# Altium PCB ATmega324PB_Xplained_Pro.PcbDoc (part 2 of 3)
Units mm, origin at the board's own origin, x right, y up, seen from the top; angles counter-clockwise.
Board outline 60 x 60 mm, 4 copper layers (Top Layer LF-signals, GND, POWER, Bottom Layer LF-signals), stack 1.604 mm thick; 125 components, 110 nets, 598 pads, 227 vias.
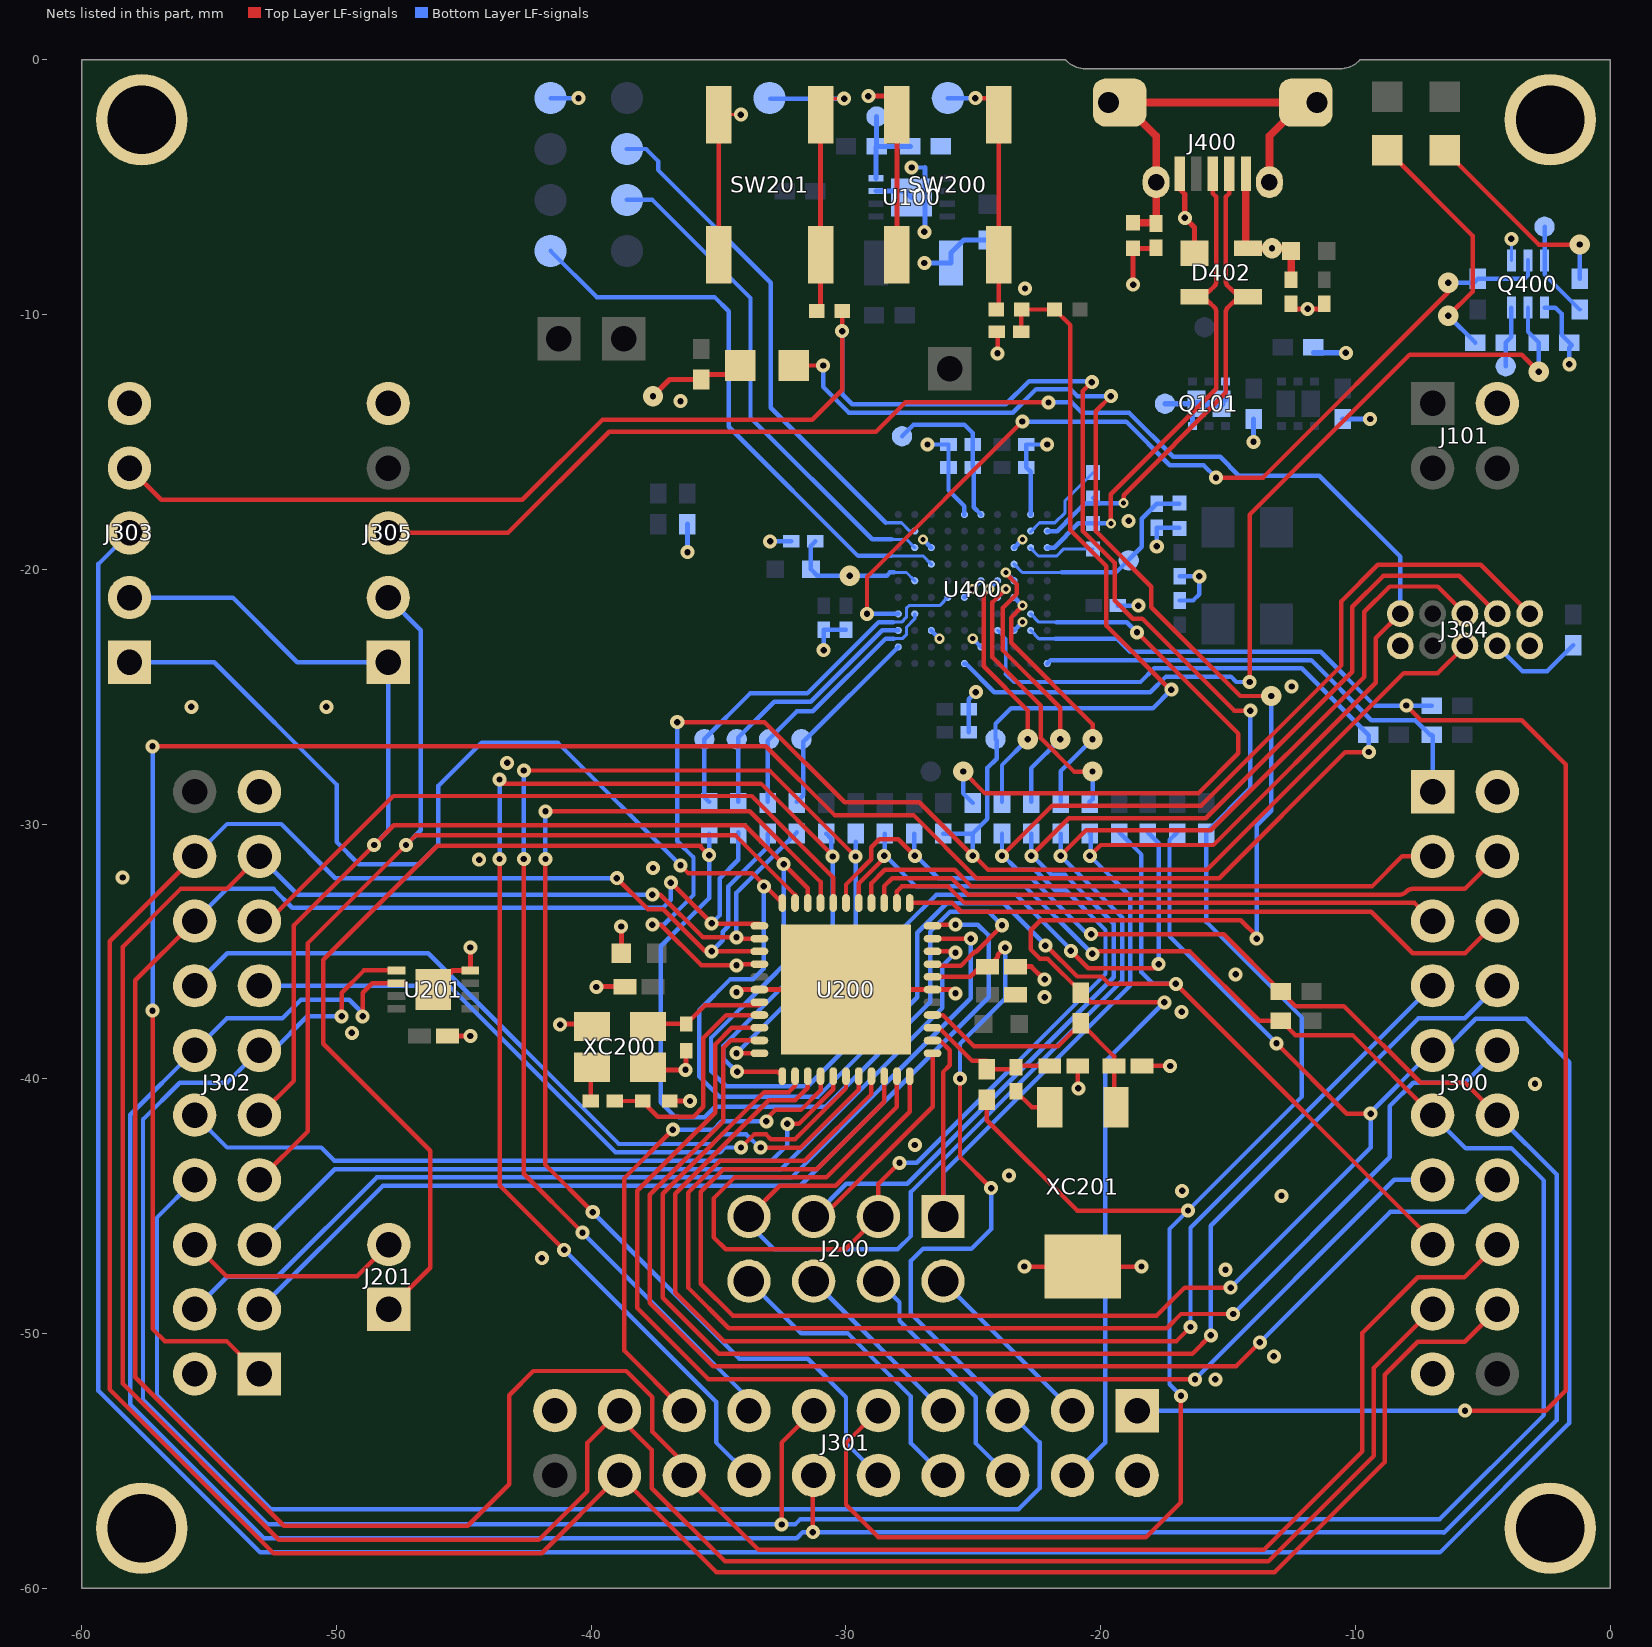
[diagram p4: the nets of this part, all layers, seen from the top]

## Via types
v1: diameter 0.55, hole 0.25, Top Layer LF-signals to Bottom Layer LF-signals, 96 vias
v2: diameter 0.55, hole 0.25, Top Layer LF-signals to Bottom Layer LF-signals, tented bottom, 40 vias
v3: diameter 0.55, hole 0.25, Top Layer LF-signals to Bottom Layer LF-signals, tented top, 29 vias
v4: diameter 0.55/0.8 (per signal layer), hole 0.25, Top Layer LF-signals to Bottom Layer LF-signals, tented top, 24 vias
v5: diameter 0.55, hole 0.25, Top Layer LF-signals to Bottom Layer LF-signals, tented both sides, 13 vias
v6: diameter 0.4, hole 0.2, Top Layer LF-signals to Bottom Layer LF-signals, tented both sides, 12 vias
v7: diameter 0.4, hole 0.2, Top Layer LF-signals to Bottom Layer LF-signals, tented top, 8 vias
v8: diameter 0.4, hole 0.2, Top Layer LF-signals to Bottom Layer LF-signals, 2 vias
v9: diameter 0.55/0.55 (per signal layer), hole 0.25, Top Layer LF-signals to Bottom Layer LF-signals, tented both sides, 1 vias
v10: diameter 0.55/0.55 (per signal layer), hole 0.25, Top Layer LF-signals to Bottom Layer LF-signals, tented top, 1 vias
v11: diameter 0.55/0.55 (per signal layer), hole 0.25, Top Layer LF-signals to Bottom Layer LF-signals, 1 vias

## Nets (pads, with @x,y where several pads share a name; then routed paths per layer and width w, separated by ;. In a path a pad name is that pad's centre, name@x,y a point inside that pad or via, vN(x,y) a via of type N, cw(c..) or ccw(c..) an arc to the next point about the centre after c; other vN are vias at no path point) (continued)
EDBG_JTAG_TDO: TP404.1 U400.J8 | length 19.7
  Bottom Layer LF-signals w0.125: -28.2,-18.825 -27.625,-18.825 U400.J8@-27.3,-19.15
  Bottom Layer LF-signals w0.175: TP404.1@-38.6,-5.5 -37.6,-5.5 -33.75,-9.35 -33.75,-14.05 -28.975,-18.825 -28.59,-18.825 -28.2,-18.825
EDBG_JTAG_TMS: TP405.1 U400.H7 | length 22.7
  Bottom Layer LF-signals w0.125: -28.225,-19.475 -26.975,-19.475 U400.H7@-26.65,-19.8
  Bottom Layer LF-signals w0.175: TP405.1@-41.6,-7.5 -39.787,-9.313 -35.163,-9.313 -34.6,-9.875 -34.6,-14.4 -29.525,-19.475 -28.225,-19.475
EDBG_RESET_N: TP406.1 U400.J9 | length 20.6
  Bottom Layer LF-signals w0.125: -28.435,-18.175 -27.82,-18.175 -27.495,-18.5 U400.J9@-27.3,-18.5
  Bottom Layer LF-signals w0.175: TP406.1@-38.6,-3.5 -37.85,-3.5 -37.379,-3.971 -37.379,-4.321 -32.95,-8.75 -32.95,-13.66 -28.435,-18.175
EDBG_SPI_DGI_MISO: pad.0@-31.75,-26.67 R417.1 U400.K2 | length 7.7
  Bottom Layer LF-signals w0.175: R417.1@-31.925,-29.125 -31.675,-28.875 -31.675,-26.775 U400.K2@-27.95,-23.05
EDBG_SPI_DGI_MOSI: pad.0@-34.29,-26.67 R205.1 U400.K3 | length 10.5
  Bottom Layer LF-signals w0.175: R205.1@-34.225,-29.125 -34.225,-26.605 -32.82,-25.2 -31.385,-25.2 -28.581,-22.397 -27.954,-22.397 U400.K3@-27.95,-22.4
EDBG_SPI_DGI_SCK: pad.0@-33.02,-26.67 R206.1 U400.J4 | length 10.5
  Bottom Layer LF-signals w0.125: -28.119,-22.722 -27.79,-22.722 -27.622,-22.553 -27.622,-22.267 -27.3,-21.945 U400.J4@-27.3,-21.75
  Bottom Layer LF-signals w0.175: R206.1@-33.075,-29.125 -33.075,-26.725 -31.925,-25.575 -31.3,-25.575 -28.447,-22.722 -28.119,-22.722
EDBG_SPI_DGI_SS: pad.0@-35.56,-26.67 R207.1 U400.G5 | length 14.6
  Bottom Layer LF-signals w0.125: -28.15,-22.072 -27.817,-22.072 -27.629,-21.883 -27.629,-21.529 -27.525,-21.425 -26.325,-21.425 U400.G5@-26,-21.1
  Bottom Layer LF-signals w0.175: R207.1@-35.375,-29.125 -35.56,-28.94 pad.0@-35.56,-26.67 -33.765,-24.875 -31.519,-24.875 -28.716,-22.072 -28.15,-22.072
EDBG_USB_FS_N: R418.2 U400.B9 | length 3.7
  Bottom Layer LF-signals w0.125: U400.B9@-22.751,-18.524 -22.402,-18.175 -21.8,-18.175 -21.4,-17.775 -21.4,-17.3 R418.2@-20.3,-16.2
EDBG_USB_FS_P: R419.2 U400.B8 | length 2.7
  Bottom Layer LF-signals w0.125: U400.B8@-22.751,-19.174 -22.448,-19.476 -21.726,-19.476 -21.45,-19.2 R419.2@-20.3,-19.2
EDBG_USB_HS_N: D402.3 J400.2 R418.1 U400.A9 | length 19.4
  Top Layer LF-signals w0.18: v7(-19.1,-17.4) -19.1,-17.087 -15.085,-13.072 -15.085,-9.886 ; -15.085,-9.889 cw(c-14.849,-9.889) -15.016,-9.722 -14.861,-9.567 cw(c-14.216,-10.213) D402.3@-14.216,-9.3 cw(c-14.216,-8.387) -14.861,-9.033 -15.016,-8.878 cw(c-14.849,-8.711) -15.085,-8.711 -15.085,-5.38 -14.95,-5.245 J400.2@-14.95,-4.475
  Bottom Layer LF-signals w0.18: U400.A9@-22.1,-18.5 -21.712,-18.5 -21.032,-17.82 -21.03,-17.82 -20.61,-17.4 R418.1@-20.1,-17.4 ; R418.1@-20.3,-17.2 R418.1@-20.1,-17.4 ; v7(-19.1,-17.4) R418.1@-20.1,-17.4
EDBG_USB_HS_P: D402.2 J400.3 R419.1 U400.A8 | length 19.6
  Top Layer LF-signals w0.18: v7(-19.6,-18.2) -19.6,-17.05 -15.465,-12.915 -15.465,-9.886 ccw(c-15.701,-9.886) -15.534,-9.719 -15.689,-9.564 ccw(c-16.334,-10.21) D402.2@-16.26,-9.3 ; D402.2@-16.334,-9.303 ccw(c-16.334,-8.39) D402.2@-16.26,-9.3 ; D402.2@-16.334,-9.297 cw(c-16.334,-10.21) D402.2@-16.26,-9.3 ; J400.3@-15.6,-4.475 -15.6,-5.245 -15.465,-5.38 -15.465,-8.714 cw(c-15.701,-8.714) -15.534,-8.881 -15.689,-9.036 cw(c-16.334,-8.39) D402.2@-16.26,-9.3
  Bottom Layer LF-signals w0.18: U400.A8@-22.1,-19.15 -21.825,-19.15 -20.875,-18.2 R419.1@-20.3,-18.2 v7(-19.6,-18.2) v7@-19.7,-18.2
GND: C100.2 C101.2 C200.1 C201.2 C202.2 C203.2 C204.2 C205.2 C206.1 C207.2 C208.2 C209.1 C400.2 C401.2 C402.2 C403.1 C404.2 C405.2 C406.2 C407.2 C408.2 C409.2 C410.2 C411.2 C412.2 C413.2 C414.2 C415.2 D402.1 J101.2@-4.43,-13.49 J300.2@-4.43,-28.73 J300.19@-6.97,-51.59 J301.2@-18.57,-55.57 J301.19@-41.43,-53.03 J302.2@-55.57,-51.59 J302.19@-53.03,-28.73 J303.5 J304.2@-3.16,-23.01 J304.10@-8.24,-23.01 J305.5 J400.5 pad.666 Q400.1 Q400.4 R100.1 R101.2 R103.1 R104.1 R107.1 R412.1 R420.1 R421.1 SW200.1 SW200.2 SW201.1 SW201.2 TP400.1 U100.7 U100.9 U200.6 U200.28 U200.45 U201.4 U201.9 U400.B10 U400.C3 U400.C8 U400.E2 U400.E6 U400.F5 U400.F10 U400.H3 U400.H8 XC200.2 XC200.4 XC201.3 | length 84.9
  Top Layer LF-signals w0.125: SW201.2@-35,-2.15 v3(-34.125,-2.15)
  Top Layer LF-signals w0.175: SW201.1@-35,-7.65 SW201.2@-35,-2.15 ; C202.2@-24.075,-10.675 -24.05,-10.7 v1(-24.05,-11.525) ; v1(-23,-47.375) XC201.3@-20.7,-47.375 v2(-18.4,-47.375) ; C207.2@-20.9,-39.5 -20.9,-40.35 v2(-20.875,-40.375) ; C208.2@-18.375,-39.5 v2(-17.275,-39.5)
  Top Layer LF-signals w0.2: U201.9@-46.2,-36.5 -45.45,-35.75 U201.4@-44.75,-35.75 v1(-44.75,-34.85) ; C209.1@-45.65,-38.325 v1(-44.75,-38.325) ; v1@-41.225,-37.825 -41.225,-37.925 -41.15,-37.85 XC200.2@-40.025,-37.85 ; v1(-39.8,-36.4) -39.785,-36.385 C204.2@-38.672,-36.385 ; v1(-38.825,-34.025) -38.82,-34.03 C203.2@-38.82,-35.285 ; XC200.4@-37.725,-39.65 v1(-36.3,-39.65) -36.275,-39.625 C205.2@-36.275,-38.9 ; C206.1@-36.925,-40.875 v1(-36.125,-40.875) ; v1(-34.3,-36.6) -34.2,-36.5 U200.6@-33.4,-36.5 U200.45@-30,-36.5 U200.28@-26.6,-36.5 -25.85,-36.5 v1(-25.7,-36.65) ; v5(-29.125,-1.425) SW200.2@-28.15,-1.425 ; SW200.2@-28.15,-1.525 -28,-1.675 SW200.2@-28,-2.15 SW200.1@-28,-7.65 ; C200.1@-23.35,-35.6 -22.725,-35.6 -22.225,-36.1 v2(-22.2,-36.1) ; v2@-22.275,-36.7 -22.2,-36.775 v2(-22.2,-36.8) ; v1(-18.725,-8.825) R421.1@-18.725,-7.4 C403.1@-17.85,-7.4 ; J400.5@-16.9,-4.475 -16.9,-5.075 -16.7,-5.275 v1(-16.7,-6.2) -16.316,-6.584 D402.1@-16.316,-7.6 ; C407.2@-12.525,-9.775 v5(-11.875,-9.775) C408.2@-11.225,-9.775
  Bottom Layer LF-signals w0.125: R420.1@-16.925,-18.4 R420.1@-16.9,-18.4 ; Q400.1@-3.875,-7.875 v3@-3.875,-7.1
  Bottom Layer LF-signals w0.175: TP400.1@-41.6,-1.5 v3(-40.5,-1.5) ; v5(-32.975,-18.9) C404.2@-32.15,-18.9 ; v5(-30.875,-23.175) C414.2@-30.875,-22.375 C413.2@-30,-22.375 ; v5(-27.425,-4.225) -26.9,-4.225 ; v7(-26.975,-18.825) U400.H8@-26.65,-19.15 ; v5(-26.8,-15.1) C405.2@-25.975,-15.1 C406.2@-25.975,-16 -25.975,-16.9 -25.35,-17.525 U400.F10@-25.35,-17.85 ; U400.H3@-26.65,-22.4 v6(-26.325,-22.725) ; U400.F5@-25.35,-21.1 v7(-25.025,-20.775) U400.E6@-24.7,-20.45 ; C415.2@-25.175,-26.4 C412.2@-25.175,-25.5 -25.175,-25.1 v5(-24.9,-24.825) ; v7(-25.025,-22.725) U400.E2@-24.7,-23.05 ; U400.C3@-23.4,-22.4 v6(-23.075,-22.075) ; U400.C8@-23.4,-19.15 v7(-23.075,-18.825) ; U400.B10@-22.75,-17.85 -22.75,-16.175 C410.2@-22.925,-16 C409.2@-22.925,-15.1 v5(-22.1,-15.1) ; C411.2@-19.325,-21.425 v3(-18.525,-21.425) ; v3(-17.8,-19.1) C402.2@-17.8,-18.375 R420.1@-16.925,-18.375 ; C400.2@-16.9,-21.225 -16.375,-21.225 -16.125,-20.975 v3(-16.125,-20.275) C401.2@-16.9,-20.275 ; Q400.4@-2.575,-9.725 -2.15,-9.725 -1.9,-9.975 -1.9,-10.8 R412.1@-1.6,-11.1 -1.5,-11.2 -1.6,-11.3 v3(-1.6,-11.95)
  Bottom Layer LF-signals w0.2: v1(-36.225,-19.325) R107.1@-36.225,-18.225 ; U100.7@-28.825,-5.15 -27.675,-5.15 U100.9@-27.425,-5.4 ; v5(-26.925,-7.975) C100.2@-25.875,-7.975 -25.875,-7.575 -25.374,-7.074 C101.2@-24.425,-7.074 ; v5@-26.9,-6.725 -26.9,-4.225 ; v3(-14,-15) R104.1@-14,-14.1 ; R100.1@-11.65,-11.5 v1(-10.375,-11.5) ; R103.1@-10.5,-14.1 v1(-9.425,-14.1)
  other v1: -27.3,-42.6 -49.4,-38.2 -41.225,-37.875 -37.575,-31.725 -22.975,-8.975
  other v2: -15.5,-51.8 -13.2,-50.9 -15.1,-47.5 -41.942,-47.042 -12.9,-44.6 -16.8,-44.4 -23.6,-43.8 -2.95,-40.2 -16.825,-37.375 -14.7,-35.9 -58.4,-32.1 -44.4,-31.4 -43.3,-27.6 -55.7,-25.4 -50.4,-25.4 -12.5,-24.6 -18.9,-18.1 -36.5,-13.4
  other v3: -3.875,-7.025
  other v5: -26.925,-6.75
ID1: J300.1@-6.97,-28.73 R407.1 U400.A1 | length 18.6
  Bottom Layer LF-signals w0.175: U400.A1@-22.1,-23.7 -21.963,-23.562 -11.738,-23.562 -9.375,-25.925 -7.65,-25.925 -7.075,-26.5 R407.1@-7,-26.5 -6.97,-26.53 J300.1@-6.97,-28.73
ID3: J301.1@-18.57,-53.03 R406.1 U400.B3 | length 65.9
  Top Layer LF-signals w0.175: v1(-8,-25.35) -7.425,-25.925 -3.475,-25.925 -1.75,-27.65 -1.75,-52.25 -2.53,-53.03 -2.535,-53.025 -2.54,-53.03 v1(-5.7,-53.03)
  Bottom Layer LF-signals w0.125: U400.B3@-22.75,-22.4 -22.425,-22.725 -21.775,-22.725
  Bottom Layer LF-signals w0.175: -21.775,-22.725 -19.35,-22.725 -18.838,-23.237 -11.363,-23.237 -9.25,-25.35 v1(-8,-25.35) R406.1@-7,-25.35 ; J301.1@-18.57,-53.03 v1(-5.7,-53.03)
ID4: J302.1@-53.03,-51.59 R405.1 U400.D3 | length 97.9
  Top Layer LF-signals w0.175: v1(-57.225,-37.325) -57.225,-49.825 -56.75,-50.3 -54.32,-50.3 J302.1@-53.03,-51.59 ; v1(-57.225,-26.95) -33.15,-26.95 -30.45,-29.65 -27.35,-29.65 -24.875,-32.125 -15.35,-32.125 -10.4,-27.175 v3(-9.475,-27.175)
  Bottom Layer LF-signals w0.125: U400.D3@-24.05,-22.4 -23.725,-22.725 -23.725,-24.1
  Bottom Layer LF-signals w0.175: v1(-57.225,-37.325) v1(-57.225,-26.95) ; -23.725,-24.1 -23.4,-24.425 -18.438,-24.425 -17.9,-23.887 -12.113,-23.887 R405.1@-9.5,-26.5 -9.475,-26.525 v3(-9.475,-27.175)
JTAG_TCK: R401.1 U400.D6 | length 10
  Top Layer LF-signals w0.175: v6(-24.375,-20.775) -24.588,-20.987 -24.587,-22.544 -24.588,-23.812 -22.86,-25.54 v4(-22.86,-26.67)
  Bottom Layer LF-signals w0.175: v6(-24.375,-20.775) U400.D6@-24.05,-20.45 ; R401.1@-23.875,-29.125 -23.875,-27.685 v4(-22.86,-26.67)
JTAG_TDI: R404.1 U400.D5 | length 11.1
  Top Layer LF-signals w0.175: v8(-23.725,-20.775) v8(-23.725,-20.775) -24.25,-21.302 -24.25,-23.45 -22.347,-25.352 -22.347,-26.637 -21.045,-27.94 v4(-20.32,-27.94)
  Bottom Layer LF-signals w0.175: U400.D5@-24.05,-21.1 v8(-23.725,-20.775) ; R404.1@-20.425,-29.175 -20.45,-29.15 R404.1@-20.32,-29.02 ; R404.1@-20.32,-28.97 v4(-20.32,-27.94)
JTAG_TDO: R402.1 U400.C6 | length 11.3
  Top Layer LF-signals w0.175: v8(-23.725,-20.125) -23.725,-20.156 -23.288,-20.594 -23.288,-20.956 -23.838,-21.506 -23.838,-23.187 -21.59,-25.435 v4(-21.59,-26.67)
  Bottom Layer LF-signals w0.175: v8(-23.725,-20.125) U400.C6@-23.4,-20.45 ; R402.1@-22.725,-29.125 -22.725,-27.805 v4(-21.59,-26.67)
JTAG_TMS: R403.1 U400.C5 | length 10.2
  Top Layer LF-signals w0.175: v6(-23.075,-21.425) -23.075,-21.456 -23.513,-21.894 -23.513,-22.887 -20.32,-26.08 v4(-20.32,-26.67)
  Bottom Layer LF-signals w0.175: U400.C5@-23.4,-21.1 v6(-23.075,-21.425) ; R403.1@-21.575,-29.125 -21.575,-27.925 v4(-20.32,-26.67)
NetC402_1: C402.1 pad.3@-18.9,-19.65 R420.2 U400.C7 | length 8.4
  Bottom Layer LF-signals w0.125: U400.C7@-23.4,-19.8 -23.075,-20.125 -21.525,-20.125
  Bottom Layer LF-signals w0.175: -21.525,-20.125 -19.4,-20.125 -18.387,-19.112 -18.387,-18.012 C402.1@-17.8,-17.425 R420.2@-16.925,-17.425
NetC404_1: C404.1 L401.2 U400.J6 | length 5.5
  Bottom Layer LF-signals w0.125: -28.115,-20.125 -27.625,-20.125 U400.J6@-27.3,-20.45
  Bottom Layer LF-signals w0.175: C404.1@-31.2,-18.9 -31.375,-19.075 L401.2@-31.375,-20 -31.125,-20.25 v4(-29.85,-20.25) -28.4,-20.25 -28.275,-20.125 -28.115,-20.125
NetC405_1: C405.1 C406.1 pad.3@-27.8,-14.775 U400.E10 | length 6.4
  Bottom Layer LF-signals w0.175: pad.3@-27.8,-14.775 -27.35,-14.325 -25.35,-14.325 -25.025,-14.65 C405.1@-25.025,-15.1 C406.1@-25.025,-16 -24.987,-16.038 -24.987,-17.563 U400.E10@-24.7,-17.85
NetC407_1: C407.1 D402.4 J400.1 L400.1 | length 5.1
  Top Layer LF-signals w0.2: C407.1@-12.625,-8.725 C407.1@-12.625,-8.625
  Top Layer LF-signals w0.3: D402.4@-14.3,-7.4 J400.1@-14.3,-5.15 ; D402.4@-14.225,-7.4 v4(-13.275,-7.4) L400.1@-12.625,-7.4 ; C407.1@-12.525,-8.625 L400.1@-12.525,-7.5
NetD200_2: D200.2 R214.1 | length 3.9
  Top Layer LF-signals w0.2: v4(-37.575,-13.2) -36.925,-12.55 R214.1@-35.675,-12.55 -35.475,-12.35 -34.5,-12.35 D200.2@-34.15,-12
NetD400_1: D400.1 R409.2 | length 9.8
  Top Layer LF-signals w0.175: D400.1@-8.75,-3.55 -5.4,-6.9 -5.4,-9.1 v4(-6.35,-10.05)
  Bottom Layer LF-signals w0.175: v4(-6.35,-10.05) R409.2@-5.3,-11.1
NetD401_1: D401.1 R410.2 | length 8.2
  Top Layer LF-signals w0.175: D401.1@-6.5,-3.55 -2.8,-7.25 v4(-1.2,-7.25)
  Bottom Layer LF-signals w0.175: R410.2@-1.2,-8.6 v4(-1.2,-7.25)
NetJ202_2: J202.2 XC200.3 | length 1.2
  Top Layer LF-signals w0.175: J202.2@-40.025,-40.875 XC200.3@-40.025,-39.65
NetJ203_2: J203.2 XC201.2 | length 1.6
  Top Layer LF-signals w0.175: J203.2@-23.325,-40.5 -22.7,-41.125 XC201.2@-22,-41.125
NetJ304_4: J304.4@-4.43,-23.01 R300.1 | length 3.8
  Bottom Layer LF-signals w0.175: J304.4@-4.43,-23.01 -3.44,-24 -2.475,-24 R300.1@-1.45,-22.975
NetQ101_3: pad.3@-17.475,-13.5 Q101.3 Q101.6 Q101.7 Q101.8 | length 4.1
  Bottom Layer LF-signals w0.2: pad.3@-17.475,-13.5 -17.3,-13.5 Q101.8@-16.24,-13.5 -16.4,-13.66 Q101.3@-16.4,-14.375 ; Q101.7@-15.26,-13.5 -15.1,-13.34 Q101.6@-15.1,-12.625
  Bottom Layer LF-signals w0.3: Q101.8@-16.24,-13.5 Q101.7@-15.26,-13.5
NetQ400_3: pad.3@-2.575,-6.55 Q400.3 R410.1 | length 3.8
  Bottom Layer LF-signals w0.175: pad.3@-2.575,-6.55 Q400.3@-2.575,-7.875 -2.575,-8.425 R410.1@-1.2,-9.8
NetQ400_6: pad.3@-4.1,-12.025 Q400.6 R409.1 | length 2.4
  Bottom Layer LF-signals w0.175: pad.3@-4.1,-12.025 R409.1@-4.1,-11.1 -3.875,-10.875 Q400.6@-3.875,-9.725
NetR101_1: pad.3@-28.8,-2.225 R101.1 R102.2 U100.8 | length 3.9
  Bottom Layer LF-signals w0.2: U100.8@-28.825,-4.65 -28.825,-3.425 R102.2@-28.8,-3.4 ; pad.3@-28.8,-2.35 pad.3@-28.8,-2.225 R102.2@-28.8,-3.4 ; R101.1@-27.475,-3.4 R102.2@-28.8,-3.4
NetR210_1: R210.1 SW200.3 SW200.4 TP200.1 | length 10.2
  Top Layer LF-signals w0.175: v3(-24.925,-1.5) -24.3,-1.5 -24,-1.8 SW200.4@-24,-2.15 SW200.3@-24,-7.65 -24,-9.7 R210.1@-24.1,-9.8
  Bottom Layer LF-signals w0.175: TP200.1@-26,-1.5 v3(-24.925,-1.5)
NetR213_1: R213.1 SW201.3 SW201.4 TP201.1 | length 12.3
  Top Layer LF-signals w0.125: SW201.4@-30.8,-1.525 v3(-30.075,-1.525)
  Top Layer LF-signals w0.2: R213.1@-31.15,-9.85 -31,-9.7 SW201.3@-31,-7.65 SW201.4@-31,-2.15 -30.9,-2.05 -30.9,-1.425 SW201.4@-30.8,-1.525
  Bottom Layer LF-signals w0.175: TP201.1@-32.975,-1.525 v3(-30.075,-1.525)
PA0_ADC0: J300.3@-6.97,-31.27 U200.37 | length 23.8
  Top Layer LF-signals w0.175: U200.37@-29,-33.1 -29,-32.325 -28.475,-31.8 -25.725,-31.8 -25.075,-32.45 -9.35,-32.45 -8.17,-31.27 J300.3@-6.97,-31.27
PA1_ADC1: J300.4@-4.43,-31.27 U200.36 | length 25.7
  Top Layer LF-signals w0.175: U200.36@-28.5,-33.1 -28.5,-32.438 -28.187,-32.125 -25.86,-32.125 -25.21,-32.775 -8.302,-32.775 ccw(c-8.302,-32.348) -8,-32.65 cw(c-7.759,-32.891) -7.759,-32.55 -5.71,-32.55 J300.4@-4.43,-31.27
PA2_GPIO: J300.5@-6.97,-33.81 U200.35 | length 22.3
  Top Layer LF-signals w0.175: U200.35@-28,-33.1 -28,-32.638 -27.812,-32.45 -25.994,-32.45 -25.344,-33.1 -7.68,-33.1 J300.5@-6.97,-33.81
  Bottom Layer LF-signals w0.175: J300.5@-6.97,-33.81 J300.5@-6.835,-33.81
PA3_GPIO: J300.6@-4.43,-33.81 U200.34 | length 24.4
  Top Layer LF-signals w0.175: U200.34@-27.5,-33.1 -25.825,-33.1 -25.475,-33.45 -9.375,-33.45 -7.75,-35.075 -5.695,-35.075 J300.6@-4.43,-33.81
PA4_ADC4: J302.3@-53.03,-49.05 U200.33 | length 38.5
  Top Layer LF-signals w0.175: U200.33@-26.6,-34 -26.55,-33.95 v1(-25.7,-33.95)
  Bottom Layer LF-signals w0.175: J302.3@-53.03,-49.05 -48.18,-44.2 -31.8,-44.2 -24.4,-36.8 -24.4,-34.375 -24.825,-33.95 v1(-25.7,-33.95)
PA5_ADC5: J302.4@-55.57,-49.05 U200.32 | length 39.4
  Top Layer LF-signals w0.175: U200.32@-26.6,-34.5 -26.6,-34.513 -26.587,-34.5 v1(-25.1,-34.5)
  Bottom Layer LF-signals w0.175: J302.4@-55.57,-49.05 -54.295,-47.775 -52.325,-47.775 -48.425,-43.875 -32.137,-43.875 -25.1,-36.838 v1(-25.1,-34.5)
PA6_GPIO: J302.5@-53.03,-46.51 U200.31 | length 34
  Top Layer LF-signals w0.175: U200.31@-26.6,-35 -25.75,-35 v1(-25.7,-35.05)
  Bottom Layer LF-signals w0.175: J302.5@-53.03,-46.51 -50.07,-43.55 -32.55,-43.55 -26.213,-37.212 -26.213,-35.563 v1(-25.7,-35.05)
PA7_EDBG_SS: J201.1@-47.95,-49.05 R207.2 U200.30 | length 67
  Top Layer LF-signals w0.175: J201.1@-47.95,-49.05 -46.325,-47.425 -46.325,-42.825 -50.525,-38.625 -50.525,-35.325 -46.05,-30.85 -35.7,-30.85 ; -35.7,-30.9 v1(-35.375,-31.225) ; U200.30@-26.6,-35.5 -26.6,-35.563 -25.488,-35.563 -25.187,-35.262 -25.187,-35.252 -24.948,-35.013 -24.888,-35.013 -23.875,-34 v1(-23.875,-33.975)
  Bottom Layer LF-signals w0.175: v1(-35.375,-31.225) R207.2@-35.375,-30.375 ; v1@-35.375,-31.175 -35.375,-32.91 -37.268,-34.803 -37.268,-40.932 -36.712,-41.487 -36.588,-41.487 -36.563,-41.513 -35.552,-41.513 -35.14,-41.1 -30.8,-41.1 -26.7,-37 -26.7,-34.225 -25.912,-33.437 -24.412,-33.437 v1(-23.875,-33.975)
PA7_GPIO: J201.2@-47.95,-46.51 J302.6@-55.57,-46.51 | length 8.7
  Top Layer LF-signals w0.175: J302.6@-55.57,-46.51 -54.325,-47.755 -49.195,-47.755 J201.2@-47.95,-46.51
PB0_GPIO: J302.15@-53.03,-33.81 U200.40 | length 26.9
  Top Layer LF-signals w0.175: J302.15@-53.03,-33.81 -52.685,-33.81 -47.775,-28.9 -33.7,-28.9 -30.5,-32.1 U200.40@-30.5,-33.1
PB1_GPIO: J301.10@-28.73,-55.57 U200.41 | length 45.8
  Top Layer LF-signals w0.175: v1(-41.8,-31.375) -41.8,-43.385 v1(-39.942,-45.242) ; v1(-41.8,-29.5) -33.775,-29.5 -31,-32.275 U200.41@-31,-33.1
  Bottom Layer LF-signals w0.175: v1(-41.8,-31.375) v1(-41.8,-29.5) ; v1(-39.942,-45.242) -34.185,-51 -31.5,-51 -30,-52.5 -30,-54.3 J301.10@-28.73,-55.57
PB2_GPIO: J302.9@-53.03,-41.43 J303.2 J305.1 R414.1 U200.42 | length 88.4
  Top Layer LF-signals w0.175: J302.9@-53.03,-41.43 -51.675,-40.075 -51.675,-33.975 v1(-48.525,-30.825) -47.75,-30.05 -33.975,-30.05 -31.5,-32.525 U200.42@-31.5,-33.1 ; v2(-21.176,-34.977) -20.49,-35.662 -17.887,-35.662 v2(-17.725,-35.5)
  Bottom Layer LF-signals w0.175: J303.2@-58.13,-21.11 -54.08,-21.11 -51.54,-23.65 J305.1@-47.97,-23.65 -47.97,-30.27 v1(-48.525,-30.825) ; v1(-32.45,-31.575) -32.45,-35.55 -32.95,-36.05 -35.3,-38.4 -35.3,-39.7 -34.7,-40.3 -31.5,-40.3 -27.7,-36.5 -27.7,-34.025 -26.45,-32.775 -23.325,-32.775 -21.176,-34.924 v2(-21.176,-34.977) ; R414.1@-18.15,-30.325 -17.725,-30.75 v2(-17.725,-35.5)
PB3_PWM: J302.7@-53.03,-43.97 J305.2 U200.43 | length 42.7
  Top Layer LF-signals w0.175: J302.7@-53.03,-43.97 -51.125,-42.065 -51.125,-34.675 v1(-47.275,-30.825) -46.9,-30.45 -34.335,-30.45 -32,-32.785 U200.43@-32,-33.1
  Bottom Layer LF-signals w0.175: J305.2@-47.97,-21.11 -46.69,-22.39 -46.69,-30.24 v1(-47.275,-30.825)
PB4_SPI0_SS: J300.15@-6.97,-46.51 J303.1 R413.1 U200.44 | length 91.9
  Top Layer LF-signals w0.175: v1(-36.5,-31.625) -36.2,-31.925 -33.675,-31.925 U200.44@-32.5,-33.1 ; v2(-22.175,-34.775) -22.138,-34.775 -20.926,-35.987 -19.963,-35.987 -19.675,-36.275 v2@-17.205,-36.275 ; v2(-17.05,-36.275) -6.97,-46.355 J300.15@-6.97,-46.51
  Bottom Layer LF-signals w0.175: J303.1@-58.13,-23.65 -54.8,-23.65 -50,-28.45 -50,-30.7 -49.125,-31.575 -46.775,-31.575 -46,-30.8 -46,-28.5 -44.3,-26.8 -41.325,-26.8 v1(-36.5,-31.625) ; v1(-33.225,-32.45) -33.225,-35.675 -33.637,-36.087 -34.538,-36.087 -35.762,-37.312 -35.762,-39.913 -34.975,-40.7 -31.1,-40.7 -27.2,-36.8 -27.2,-34.266 -26.047,-33.112 -23.801,-33.112 -22.175,-34.738 v2(-22.175,-34.775) ; R413.1@-19.275,-30.325 -18.4,-31.2 -18.4,-35.825 -17.95,-36.275 v2(-17.05,-36.275)
PB5_SPI0_MOSI: J300.16@-4.43,-46.51 J301.16@-36.35,-55.57 J302.16@-55.57,-33.81 R205.2 U200.1 | length 119.6
  Top Layer LF-signals w0.175: J302.16@-55.57,-33.81 -57.9,-36.14 -57.9,-51.725 -52.075,-57.55 -44.85,-57.55 -43.225,-55.925 -43.225,-52.425 -42.275,-51.475 -38.625,-51.475 -37.6,-52.5 -37.6,-53.86 -36.35,-55.11 J301.16@-36.35,-55.57 -33.42,-58.5 -13.6,-58.5 -9.725,-54.625 -9.725,-49.975 -7.55,-47.8 -5.72,-47.8 J300.16@-4.43,-46.51 ; v1@-36.875,-32.4 -36.825,-32.35 v1(-35.275,-33.9) -35.262,-33.913 -33.4,-33.913 U200.1@-33.4,-34
  Bottom Layer LF-signals w0.175: J302.16@-55.57,-33.81 -54.31,-32.55 -52.475,-32.55 -51.738,-33.287 -37.187,-33.287 -36.875,-32.975 v1(-36.875,-32.3) ; v1(-35.275,-33.9) -34.95,-33.575 -34.95,-32.125 -34.225,-31.4 R205.2@-34.225,-30.325
PB6_SPI0_MISO: J300.17@-6.97,-49.05 J301.17@-38.89,-53.03 J302.17@-53.03,-31.27 R417.2 U200.2 | length 117.4
  Top Layer LF-signals w0.175: J302.17@-53.03,-31.27 -54.31,-32.55 -56.125,-32.55 -58.4,-34.825 -58.4,-51.965 -52.265,-58.1 -42.056,-58.1 -40.15,-56.194 -40.15,-54.29 J301.17@-38.89,-53.03 -38.89,-53.31 -37.625,-54.575 -37.625,-56.075 -34.75,-58.95 -13.415,-58.95 -9.275,-54.81 -9.275,-51.355 J300.17@-6.97,-49.05 J300.17@-6.97,-48.73 ; v1(-37.6,-32.775) -37.29,-32.775 -35.615,-34.45 v1(-34.3,-34.45) -34.25,-34.5 U200.2@-33.4,-34.5
  Bottom Layer LF-signals w0.175: J302.17@-53.03,-31.27 -51.525,-32.775 v1(-37.6,-32.775) ; v1@-37.765,-32.875 v1@-37.6,-32.875 ; v1(-34.3,-34.45) -34.3,-32.7 R417.2@-31.925,-30.325
PB7_SPI0_SCK: J300.18@-4.43,-49.05 J301.18@-38.89,-55.57 J302.18@-55.57,-31.27 R206.2 U200.3 | length 118.9
  Top Layer LF-signals w0.125: U200.3@-33.413,-35.013 U200.3@-33.4,-35
  Top Layer LF-signals w0.175: J302.18@-55.57,-31.27 -58.9,-34.6 -58.9,-52.2 -52.475,-58.625 -41.945,-58.625 J301.18@-38.89,-55.57 -35.085,-59.375 -13.175,-59.375 -8.85,-55.05 -8.85,-51.625 -7.55,-50.325 -5.705,-50.325 J300.18@-4.43,-49.05 ; v1(-39,-32.125) -37.775,-33.35 -37.175,-33.35 -35.525,-35 v1(-35.275,-35) U200.3@-33.4,-35
  Bottom Layer LF-signals w0.175: J302.18@-55.57,-31.27 -54.3,-30 -52.175,-30 -50.05,-32.125 v1(-39,-32.125) ; v1(-35.275,-35) -34.837,-34.563 -34.837,-34.227 -34.625,-34.015 -34.625,-32.45 -33.075,-30.9 R206.2@-33.075,-30.375
PC0_GPIO: J300.10@-4.43,-38.89 U200.19 | length 51.4
  Top Layer LF-signals w0.175: U200.19@-29,-39.9 -29,-40.6 -31.625,-43.225 -34.944,-43.225 -36.2,-44.481 -36.2,-48.2 -34.6,-49.8 -17.41,-49.8 -16.847,-49.237 v2(-14.8,-49.237)
  Bottom Layer LF-signals w0.175: v2(-14.8,-49.237) -8.65,-43.087 -8.65,-41.075 -7.735,-40.16 -5.7,-40.16 J300.10@-4.43,-38.89
PC1_GPIO: J300.9@-6.97,-38.89 J303.3 R415.1 U200.20 | length 180.1
  Top Layer LF-signals w0.175: U200.20@-28.5,-39.9 -28.5,-40.9 -31.15,-43.55 -34.81,-43.55 -35.7,-44.44 -35.7,-48.052 -34.452,-49.3 -17.8,-49.3 -16.7,-48.2 v2(-14.9,-48.2) ; v2(-13.1,-38.613) -10.338,-41.375 v1(-9.4,-41.375)
  Bottom Layer LF-signals w0.175: J303.3@-58.13,-18.57 -59.35,-19.79 -59.35,-52.25 -53,-58.6 -6.681,-58.6 -1.6,-53.519 -1.6,-39.35 -3.3,-37.65 -5.27,-37.65 -6.51,-38.89 J300.9@-6.97,-38.89 -9.4,-41.32 -9.4,-42.7 v2(-14.9,-48.2) ; R415.1@-17,-30.325 -17.3,-30.625 -17.3,-34.413 v2(-13.1,-38.613)
PC2_GPIO: J200.4 J301.6@-23.65,-55.57 | length 9.7
  Bottom Layer LF-signals w0.175: J200.4@-28.73,-47.95 -27.9,-48.78 -27.9,-49.5 -24.9,-52.5 -24.9,-54.32 J301.6@-23.65,-55.57
PC2_JTAG_TCK: J200.3 J304.1@-3.16,-21.74 R401.2 U200.21 | length 67.8
  Top Layer LF-signals w0.175: U200.21@-28,-39.9 -28,-41.1 -30.775,-43.875 -34.375,-43.875 -35.2,-44.7 -35.2,-46.225 -34.725,-46.7 -30.02,-46.7 J200.3@-28.73,-45.41 -28.73,-44.13 v1(-27.9,-43.3) ; v1(-23.875,-31.25) -21.9,-29.275 -16.05,-29.275 -10.55,-23.775 -10.55,-21.25 -9.125,-19.825 -5.075,-19.825 J304.1@-3.16,-21.74
  Bottom Layer LF-signals w0.175: v1(-27.9,-43.3) -27.225,-43.3 -19.813,-35.887 -19.813,-34.163 -21.375,-32.6 -21.785,-32.6 -22.585,-31.8 -23.275,-31.8 v1@-23.875,-31.2 ; v1(-23.875,-31.25) R401.2@-23.875,-30.375
PC3_JTAG_TMS: J200.7 J304.5@-5.7,-21.74 R403.2 U200.22 | length 59.1
  Top Layer LF-signals w0.175: J200.7@-33.81,-45.41 -32.6,-44.2 -30.4,-44.2 -27.5,-41.3 U200.22@-27.5,-39.9 ; v1(-21.575,-31.25) -20.575,-30.25 -15.675,-30.25 -9.65,-24.225 -9.65,-21.669 -8.656,-20.675 -6.765,-20.675 J304.5@-5.7,-21.74
  Bottom Layer LF-signals w0.175: J200.7@-33.81,-45.41 -33.81,-45.715 -32.825,-46.7 -27.975,-46.7 -27.45,-46.175 -27.45,-44.444 -19.162,-36.157 -19.162,-33.662 v1(-21.575,-31.25) R403.2@-21.575,-30.375
PC3_TC4_ICP: J200.8 J301.8@-26.19,-55.57 | length 11.9
  Bottom Layer LF-signals w0.175: J200.8@-33.81,-47.95 -31.76,-50 -29.925,-50 -27.45,-52.475 -27.45,-54.31 J301.8@-26.19,-55.57
PC4_JTAG_TDO: J200.5 J304.3@-4.43,-21.74 R402.2 U200.23 | length 56.5
  Top Layer LF-signals w0.175: J200.5@-31.27,-45.41 -30.91,-45.41 -26.6,-41.1 U200.23@-26.6,-39 ; v1(-22.725,-31.25) -21.25,-29.775 -15.875,-29.775 -10.125,-24.025 -10.125,-21.475 -8.9,-20.25 -5.92,-20.25 J304.3@-4.43,-21.74
  Bottom Layer LF-signals w0.175: J200.5@-31.27,-45.41 -29.985,-44.125 -27.59,-44.125 -19.487,-36.022 -19.487,-33.913 -21.4,-32 -21.925,-32 v1@-22.725,-31.2 ; v1(-22.725,-31.25) R402.2@-22.725,-30.375
PC4_TC4_OCA: J200.6 J301.7@-26.19,-53.03 | length 7.2
  Bottom Layer LF-signals w0.175: J200.6@-31.27,-47.95 J301.7@-26.19,-53.03
PC5_GPIO: J200.2 J301.3@-21.11,-53.03 | length 7.2
  Bottom Layer LF-signals w0.175: J200.2@-26.19,-47.95 J301.3@-21.11,-53.03
PC5_JTAG_TDI: J200.1 J304.9@-8.24,-21.74 J305.3 R404.2 U200.24 | length 90
  Top Layer LF-signals w0.175: J305.3@-47.97,-18.57 -43.27,-18.57 -39.3,-14.6 -28.825,-14.6 -27.675,-13.45 v1(-22.05,-13.45) ; U200.24@-26.6,-38.5 -26.31,-38.5 -25.925,-38.885 -25.925,-39.475 -26.19,-39.74 J200.1@-26.19,-45.41 ; v1(-20.425,-31.25) -20,-30.825 -15.575,-30.825 -9.2,-24.45 -9.2,-22.7 J304.9@-8.24,-21.74
  Bottom Layer LF-signals w0.175: J200.1@-26.19,-45.41 -26.19,-43.69 -18.837,-36.337 -18.837,-32.837 -20.4,-31.275 R404.2@-20.4,-30.35 ; v1(-22.05,-13.45) -21.135,-13.45 -20.721,-13.863 -18.877,-13.863 -17.153,-15.587 -15.313,-15.587 -14.575,-16.325 -11.415,-16.325 -8.24,-19.5 J304.9@-8.24,-21.74 ; R404.2@-20.425,-30.375 R404.2@-20.4,-30.4
PC6_GPIO: J301.9@-28.73,-53.03 J303.4 R211.2 R213.2 R416.1 | length 126.9
  Top Layer LF-signals w0.175: J303.4@-58.13,-16.03 -56.885,-17.275 -42.71,-17.275 -39.56,-14.125 -31.325,-14.125 -30.15,-12.95 v1(-30.15,-10.65) R213.2@-30.15,-9.85 ; J301.9@-28.73,-53.03 -30,-54.3 -30,-56.725 -28.725,-58 -18.225,-58 -16.85,-56.625 v1(-16.85,-52.45) ; R211.2@-24.475,-40.825 -24.475,-41.625 -20.925,-45.175 v11(-16.575,-45.175) ; v1(-20.35,-12.65) -20.7,-13 -20.7,-18.5 -19.45,-19.75 -19.45,-21.225 -18.737,-21.937 -18.362,-21.937 -14.75,-25.55 v3(-14.125,-25.55)
  Bottom Layer LF-signals w0.175: v1(-30.15,-10.65) -30.15,-13.125 -29.75,-13.525 -23.725,-13.525 -22.812,-12.612 -20.388,-12.612 v1(-20.35,-12.65) ; v1(-16.85,-52.45) -17.3,-52 -17.3,-45.9 v11(-16.575,-45.175) -12.1,-40.7 -12.1,-37.6 -15.85,-33.85 -15.85,-30.325 -14.125,-28.6 v3(-14.125,-25.55)
PC6_TOSC1: C207.1 J203.1 R211.1 U200.25 | length 5.4
  Top Layer LF-signals w0.175: U200.25@-26.6,-38 -26.35,-38 -25.05,-39.3 -24.475,-39.3 R211.1@-24.475,-39.625 ; R211.1@-24.435,-39.625 J203.1@-23.325,-39.625 ; J203.1@-23.325,-39.485 -22,-39.485 C207.1@-22,-39.5
PC7_GPIO: D200.1 J301.4@-21.11,-55.57 R212.2 | length 75.9
  Top Layer LF-signals w0.175: D200.1@-32.05,-12 v1(-30.9,-12) ; v1(-19.6,-13.2) -20.2,-13.8 -20.2,-18.5 -18.012,-20.688 -18.012,-21.488 -14.525,-24.975 v4(-13.3,-24.975) ; v2(-17.5,-37) -20.4,-37 R212.2@-20.775,-36.625 -20.775,-36.598 -22.086,-35.288 -22.387,-35.288 -22.75,-34.925 -22.75,-34.175 -22.35,-33.775 -14.5,-33.775 -13.875,-34.4 v9(-13.875,-34.5)
  Bottom Layer LF-signals w0.175: v1(-30.9,-12) -30.9,-12.835 -29.885,-13.85 -23.45,-13.85 -22.538,-12.938 -21.187,-12.938 -20.925,-13.2 v1(-19.6,-13.2) ; J301.4@-21.11,-55.57 -19.825,-54.285 -19.825,-39.325 v2(-17.5,-37) ; v9(-13.875,-34.5) -13.875,-30.05 -13.3,-29.475 v4(-13.3,-24.975)
PC7_TOSC2: C208.1 R212.1 U200.26 XC201.1 | length 10.5
  Top Layer LF-signals w0.175: U200.26@-26.6,-37.5 -26.2,-37.5 -24.975,-38.725 -21.675,-38.725 R212.1@-20.775,-37.825 -19.475,-39.125 C208.1@-19.475,-39.5 XC201.1@-19.475,-41.05
PD0_RXD0: J300.13@-6.97,-43.97 U200.9 | length 49.3
  Top Layer LF-signals w0.175: U200.9@-33.4,-38 -34.484,-38 -35.138,-38.653 -35.138,-41.337 -38.2,-44.4 -38.2,-49 -35.4,-51.8 v2@-16.23,-51.8
  Bottom Layer LF-signals w0.175: v2(-16.3,-51.8) -8.47,-43.97 J300.13@-6.97,-43.97
PD1_TXD0: J300.14@-4.43,-43.97 U200.10 | length 50.1
  Top Layer LF-signals w0.175: U200.10@-33.4,-38.5 -33.4,-38.487 -34.512,-38.487 -34.813,-38.788 -34.813,-41.672 -37.7,-44.56 -37.7,-48.8 -35.213,-51.287 -14.687,-51.287 v2(-13.75,-50.35)
  Bottom Layer LF-signals w0.175: v2(-13.75,-50.35) -8.625,-45.225 -5.685,-45.225 J300.14@-4.43,-43.97
PD2_RXD1: J301.13@-33.81,-53.03 R411.1 U200.11 | length 54.5
  Top Layer LF-signals w0.175: v1(-42.65,-31.375) -42.65,-43.735 v1@-40.367,-46.017 ; v1(-42.65,-27.9) -33,-27.9 v1(-29.625,-31.275) ; v1@-34.325,-39 v1(-34.3,-39) U200.11@-33.4,-39
  Bottom Layer LF-signals w0.175: v1(-42.65,-31.375) v1(-42.65,-27.9) ; v1(-40.342,-46.042) -33.81,-52.575 J301.13@-33.81,-53.03 ; v1(-34.3,-39) -29.625,-34.325 R411.1@-29.625,-30.703 ; v1@-29.803,-31.275 v1(-29.625,-31.275)
PD3_TXD1: J301.14@-33.81,-55.57 R204.2 U200.12 | length 59.1
  Top Layer LF-signals w0.175: v1(-43.602,-31.377) -43.6,-31.379 -43.6,-44.185 v1(-41.067,-46.717) ; v1(-43.602,-28.251) -43.441,-28.413 -33.341,-28.413 v1@-30.526,-31.227 ; v1(-34.275,-39.725) -32.675,-39.725 U200.12@-32.5,-39.9
  Bottom Layer LF-signals w0.175: v1(-43.602,-31.377) v1(-43.602,-28.251) ; v1(-41.067,-46.717) -35.1,-52.685 -35.1,-54.28 J301.14@-33.81,-55.57 ; v1(-34.275,-39.725) -34.275,-39.75 -34.813,-39.212 -34.813,-38.703 -30.526,-34.417 v1(-30.526,-31.276) -30.575,-31.325 -30.575,-30.575 R204.2@-30.775,-30.375
PD4_TC1_OCB: J300.8@-4.43,-36.35 U200.13 | length 53.6
  Top Layer LF-signals w0.175: U200.13@-32,-39.9 -32,-40.275 -32.25,-40.525 -33.206,-40.525 -37.2,-44.519 -37.2,-48.6 -35,-50.8 -16.4,-50.8 v2(-15.675,-50.075)
  Bottom Layer LF-signals w0.175: v2(-15.675,-50.075) -15.675,-45.775 -7.525,-37.625 -5.705,-37.625 J300.8@-4.43,-36.35
PD5_TC1_OCA: J300.7@-6.97,-36.35 U200.14 | length 49.8
  Top Layer LF-signals w0.175: U200.14@-31.5,-39.9 -31.5,-40.35 -32,-40.85 -33.029,-40.85 -36.7,-44.521 -36.7,-48.4 -34.8,-50.3 -17.025,-50.3 v2(-16.475,-49.75)
  Bottom Layer LF-signals w0.175: v2(-16.475,-49.75) -16.475,-45.855 J300.7@-6.97,-36.35
PD6_SPI1_SS: J301.15@-36.35,-53.03 U200.15 | length 20
  Top Layer LF-signals w0.175: v1(-36.8,-42) -38.7,-43.9 -38.7,-50.68 J301.15@-36.35,-53.03 ; v1(-33.127,-41.673) -33.175,-41.625 -32.775,-41.225 -31.769,-41.225 -31,-40.456 U200.15@-31,-39.9
  Bottom Layer LF-signals w0.175: v1(-36.8,-42) -35.2,-42 -34.873,-41.673 v1(-33.127,-41.673) v1@-33.127,-41.577
PD7_GPIO_SS: J302.10@-55.57,-41.43 U200.16 | length 28
  Top Layer LF-signals w0.175: v1(-32.3,-41.775) -31.86,-41.775 -30.5,-40.415 U200.16@-30.5,-39.9
  Bottom Layer LF-signals w0.175: J302.10@-55.57,-41.43 -54.3,-42.7 -50.6,-42.7 -50.087,-43.213 -32.913,-43.213 -32.3,-42.6 v1(-32.3,-41.775)
PE0_XTAL2: C205.1 U200.7 XC200.1 | length 4.7
  Top Layer LF-signals w0.175: XC200.1@-37.725,-37.85 C205.1@-36.275,-37.85 -35.537,-37.113 -33.4,-37.113 U200.7@-33.4,-37
PE1_XTAL1: C206.2 J202.1 U200.8 | length 9.2
  Top Layer LF-signals w0.175: J202.1@-39.075,-40.875 C206.2@-37.975,-40.875 -37.975,-40.9 -37.387,-41.487 -35.987,-41.487 -35.6,-41.1 -35.6,-38.4 -34.7,-37.5 U200.8@-33.4,-37.5
PE2_RXD2: J302.13@-53.03,-36.35 U200.17 | length 27.4
  Top Layer LF-signals w0.175: v1(-34.123,-42.7) -33.611,-42.188 -33.138,-42.188 -32.95,-42.375 -32,-42.375 -30,-40.375 U200.17@-30,-39.9
  Bottom Layer LF-signals w0.175: J302.13@-53.03,-36.35 -45.587,-36.35 -39.049,-42.888 -34.937,-42.888 -34.75,-42.7 v1(-34.123,-42.7)
PE3_TXD2: J302.14@-55.57,-36.35 U200.18 | length 31.5
  Top Layer LF-signals w0.175: v1(-33.35,-42.7) -33.348,-42.702 -31.781,-42.702 -29.5,-40.421 U200.18@-29.5,-39.9
  Bottom Layer LF-signals w0.175: J302.14@-55.57,-36.35 -54.295,-35.075 -46.402,-35.075 -38.915,-42.563 -35.243,-42.563 -34.868,-42.188 -33.911,-42.188 -33.399,-42.7 v1(-33.35,-42.7)
PE4_PWM: C200.2 J301.5@-23.65,-53.03 J302.8@-55.57,-43.97 U200.29 | length 76.3
  Top Layer LF-signals w0.175: U200.29@-26.6,-36 -25.125,-36 -24.725,-35.6 C200.2@-24.45,-35.6 -24.413,-35.6 -24.038,-35.225 -24.038,-35.138 v1(-23.751,-34.852) ; v1(-25.525,-40) -25.525,-43.075 v1(-24.3,-44.3)
  Bottom Layer LF-signals w0.175: J302.8@-55.57,-43.97 -57.05,-45.45 -57.05,-52.425 -52.575,-56.9 -23.225,-56.9 -22.4,-56.075 -22.4,-54.28 J301.5@-23.65,-53.03 -27.45,-49.23 -27.45,-47.15 -26.975,-46.675 -25.075,-46.675 -24.3,-45.9 v1(-24.3,-44.3) ; v1(-25.525,-40) -25.525,-38.625 -23.75,-36.85 v1(-23.751,-34.852) v1(-23.751,-34.852)
PE5_TW1_SDA: J300.11@-6.97,-41.43 J301.11@-31.27,-53.03 J302.11@-53.03,-38.89 R201.1 R202.2 U200.38 U201.5 | length 131.3
  Top Layer LF-signals w0.175: v1(-49.8,-37.55) -49.8,-36.625 -48.925,-35.75 U201.5@-47.65,-35.75 ; v1(-32.525,-57.5) -32.525,-54.285 J301.11@-31.27,-53.03 ; U200.38@-29.5,-33.1 -29.5,-32.334 v1@-28.5,-31.334 ; v2(-20.325,-35.1) -20.212,-34.987 -16.513,-34.987 -13.775,-37.725 R201.1@-12.925,-37.725 -12.363,-38.288 -10.112,-38.288 J300.11@-6.97,-41.43
  Bottom Layer LF-signals w0.175: v1(-49.8,-37.55) -51.15,-37.55 -52.49,-38.89 J302.11@-53.03,-38.89 -54.3,-40.16 -56.16,-40.16 -57.6,-41.6 -57.6,-52.6 -52.7,-57.5 -32,-57.5 -31.788,-57.288 -6.687,-57.288 -2.6,-53.2 -2.6,-44 -3.875,-42.725 -5.675,-42.725 J300.11@-6.97,-41.43 ; v1(-28.5,-31.25) -28.475,-31.225 R202.2@-28.475,-30.375 ; v1@-28.5,-31.2 -27.25,-32.45 -22.975,-32.45 -20.587,-34.838 v2(-20.325,-35.1)
PE6_TW1_SCL: J300.12@-4.43,-41.43 J301.12@-31.27,-55.57 J302.12@-55.57,-38.89 R200.1 R203.2 U200.39 U201.6 | length 133.3
  Top Layer LF-signals w0.175: v1(-48.975,-37.55) -48.975,-36.625 -48.6,-36.25 U201.6@-47.65,-36.25 ; v1(-31.3,-57.8) -31.3,-55.64 -31.25,-55.59 J301.12@-31.27,-55.57 J301.12@-31.175,-55.475 ; U200.39@-30,-33.1 -30,-32.375 -29.012,-31.387 -29.012,-30.912 -28.7,-30.6 -27.95,-30.6 v3(-27.3,-31.25) ; v2(-20.375,-34.325) -15.175,-34.325 R200.1@-12.925,-36.575 -12.35,-37.15 -10.45,-37.15 -7.44,-40.16 -5.7,-40.16 J300.12@-4.43,-41.43
  Bottom Layer LF-signals w0.175: v1(-48.975,-37.55) -48.975,-37.425 -49.5,-36.9 -51.4,-36.9 -52.125,-37.625 -54.305,-37.625 J302.12@-55.57,-38.89 -55.575,-38.89 -58.1,-41.415 -58.1,-52.8 -52.863,-58.037 -31.937,-58.037 -31.7,-57.8 v1(-31.3,-57.8) -6.55,-57.8 -6.525,-57.825 -2.1,-53.4 -2.1,-43.76 J300.12@-4.43,-41.43 ; R203.2@-27.325,-30.375 -27.325,-31.225 v3(-27.3,-31.25) ; v3@-27.3,-31.2 -26.375,-32.125 -22.719,-32.125 -20.519,-34.325 v2(-20.375,-34.325)
POWER_LED_CTRL: Q400.2 R408.1 U400.K4 | length 36.2
  Top Layer LF-signals w0.175: v3(-29.175,-21.75) -29.175,-20.3 v1(-23.075,-14.2) ; v1(-15.475,-16.4) -13.625,-16.4 -6.35,-9.125 v4(-6.35,-8.75)
  Bottom Layer LF-signals w0.175: v3(-29.175,-21.75) -29.171,-21.746 -27.954,-21.746 U400.K4@-27.95,-21.75 ; v1(-23.075,-14.2) -19,-14.2 -17.288,-15.912 -15.963,-15.912 v1(-15.475,-16.4) ; v4(-6.35,-8.75) -5.35,-8.75 R408.1@-5.2,-8.6 -3.375,-8.6 -3.225,-8.45 Q400.2@-3.225,-7.875
SHIELD: C403.2 J400.6@-11.512,-1.675 J400.7@-19.687,-1.675 J400.8@-13.375,-4.8 J400.9@-17.825,-4.8 R421.2 | length 19.1
  Top Layer LF-signals w0.3: R421.2@-18.725,-6.4 -17.85,-6.4 C403.2@-17.825,-6.375 ; C403.2@-17.825,-6.425 C403.2@-17.825,-6.375 ; J400.8@-13.375,-4.8 -13.375,-2.991 -12.059,-1.675 J400.6@-11.512,-1.675 J400.7@-19.687,-1.675 -19.141,-1.675 -17.825,-2.991 J400.9@-17.825,-4.8 C403.2@-17.825,-6.375
STATUS_LED_CTRL: Q400.5 R412.2 U400.F1 | length 35.5
  Top Layer LF-signals w0.175: v3(-14.15,-24.425) -14.15,-17.85 -7.875,-11.575 -3.475,-11.575 v4(-2.8,-12.25)
  Bottom Layer LF-signals w0.175: U400.F1@-25.35,-23.7 -25.3,-23.7 -24.175,-24.825 -18.05,-24.825 -17.437,-24.212 -14.888,-24.212 -14.675,-24.425 v3(-14.15,-24.425) ; Q400.5@-3.225,-9.725 -3.225,-10.675 R412.2@-2.8,-11.1 v4(-2.8,-12.25)
TARGET_RESET: C202.1 J304.6@-5.7,-23.01 pad.3@-24.13,-26.67 R208.1 R209.2 R210.2 R400.2 U200.4 | length 84.1
  Top Layer LF-signals w0.175: v1(-37.6,-33.95) -37.275,-33.95 -35.675,-35.55 v1(-34.3,-35.55) -34.25,-35.5 U200.4@-33.4,-35.5 ; v1(-36.625,-26) -33.2,-26 -30.05,-29.15 -27.125,-29.15 v1(-25.025,-31.25) ; v1@-25.025,-31.2 -24.425,-31.8 -15.825,-31.8 -8.1,-24.075 -6.765,-24.075 J304.6@-5.7,-23.01 ; C202.1@-23.125,-10.675 R210.2@-23.125,-9.825 ; R210.2@-23.1,-9.8 R208.1@-21.911,-9.8 ; R208.1@-21.811,-9.8 -21.2,-10.411 -21.2,-18.46 -19.775,-19.885 -19.775,-22.215 -17.265,-24.725 v1(-17.225,-24.725)
  Bottom Layer LF-signals w0.175: v1(-37.6,-33.95) -37.15,-33.95 -35.987,-32.787 -35.987,-31.313 -36.625,-30.675 v1(-36.625,-26) ; R209.2@-26.175,-30.375 R400.2@-25.025,-30.375 ; v1(-25.025,-31.25) R400.2@-25.025,-30.375 ; -24.45,-29.8 R400.2@-25.025,-30.375 ; -24.45,-29.75 -24.45,-27.8 -24.087,-27.438 -24.087,-26.713 pad.3@-24.13,-26.67 -24.13,-26.06 -23.52,-25.45 -17.95,-25.45 v1(-17.225,-24.725)
TARGET_RESET_: R400.1 U400.B4 | length 24
  Top Layer LF-signals w0.175: v4(-25.4,-27.94) -24.54,-28.8 -16.175,-28.8 -14.6,-27.225 -14.6,-26.45 v10(-18.575,-22.475)
  Bottom Layer LF-signals w0.125: U400.B4@-22.75,-21.75 -22.425,-22.075 -21.75,-22.075
  Bottom Layer LF-signals w0.175: -25.4,-28.8 R400.1@-25.025,-29.175 ; -25.4,-28.75 v4(-25.4,-27.94) ; -21.75,-22.075 -18.975,-22.075 v10(-18.575,-22.475)